# Allegro board SDHCalFEB.brd (continued)
## Routing (per net, layer and track width the routed paths; a pad name or vN(x,y) marks a point on that pad's centre or on a via; arc(x,y) is an arc through that point) (continued)
VCC5.0V: length 182
  TOP w0.254: U1077.14 383.79,285.95 ; v1(386.18,105.82) 386.61,105.82 ; v1(386.18,105.82) 386.18,105.38 ; v1(386.18,105.82) 386.18,106.25 ; v1(386.18,105.82) 385.75,105.82 ; v1(382.55,105.54) 382.55,105.97 ; v1(382.55,105.54) 382.55,105.1 ; v1(382.55,105.54) 382.98,105.54 ; v1(382.55,105.54) 382.12,105.54 ; 383.25,105.84 C1466.2 ; C1466.2 384.25,104.96 ; C1466.2 385.26,105.84 ; 383.9,104.14 v1(384.33,104.14) ; v1(384.33,104.14) 384.33,104.57 ; v1(384.33,104.14) 384.33,103.71 ; v1(384.33,104.14) 384.76,104.14 ; 382.09,288.57 v1(382.52,288.57) ; v1(382.52,288.57) 382.96,288.57 ; v1(382.52,288.57) 382.52,288.14 ; v1(382.52,288.57) 382.52,289 ; 380.61,105.26 U1076.17 U1076.16 ; 385.06,286.71 v1(385.06,287.15) ; v1(385.06,287.15) 384.63,287.15 ; v1(385.06,287.15) 385.06,287.58 ; v1(385.06,287.15) 385.5,287.15 ; 383.34,287.5 v1(383.77,287.5) ; v1(383.77,287.5) 383.77,287.07 ; v1(383.77,287.5) 383.77,287.93 ; v1(383.77,287.5) 384.2,287.5 ; v1(382.42,289.66) 382.85,289.66 ; v1(382.42,289.66) 382.42,289.23 ; v1(382.42,289.66) 382.42,290.09 ; v1(382.42,289.66) 381.99,289.66 ; 381.97,104.5 v1(381.97,104.93) ; v1(381.97,104.93) 381.97,105.36 ; v1(381.97,104.93) 381.53,104.93 ; v1(381.97,104.93) 382.4,104.93 ; v1(384.33,286.23) 384.33,286.66 ; v1(384.33,286.23) 383.9,286.23 ; v1(384.33,286.23) 384.76,286.23 ; U1076.16 381.11,105.26 ; U1076.16 381.42,104.67 ; C1474.2 384.3,290.04 ; C1474.2 385.31,289.16 ; C1474.2 384.3,288.28 ; C1474.2 383.3,289.16 ; 382.65,103.49 v1(382.65,103.92) ; v1(382.65,103.92) 383.08,103.92 ; v1(382.65,103.92) U1076.15 ; v1(382.65,103.92) 382.65,104.35 ; v1(385.83,104.34) 385.83,104.78 ; v1(385.83,104.34) 385.83,103.91 ; v1(385.83,104.34) 385.39,104.34 ; v1(385.83,104.34) 386.26,104.34 ; 383.21,286.75 U1077.15 383.79,286.45 ; 382.45,103.42 U1076.14 U1076.15 ; U1076.15 381.86,104.23 ; v1(381.79,105.99) 382.22,105.99 ; v1(381.79,105.99) 381.79,105.56 ; v1(381.79,105.99) 381.79,106.43 ; v1(381.79,105.99) 381.36,105.99 ; U1077.17 381.96,287.78 ; 382.46,287.78 U1077.16 382.76,287.2
  TOP w0.508: R2512.2 v1(349.07,38.02)
  SIG2 w0.127: v1(377.37,114.07) 377.37,105.49 375.16,103.28 375.16,96.98 349.07,70.89 v1(349.07,38.02)
  BOTTOM w0.254: 378.71,115.43 R2529.1 ; R2529.1 379.3,114.87 ; R2529.1 379.88,115.43 ; 378.79,113.82 v1(378.79,114.25) ; v1(378.79,114.25) 378.36,114.25 ; v1(378.79,114.25) 378.79,114.68 ; v1(378.79,114.25) 379.22,114.25 ; v1(390.96,113.23) 390.96,113.67 ; v1(390.96,113.23) 390.96,112.8 ; v1(390.96,113.23) 390.52,113.23 ; v1(390.96,113.23) 391.39,113.23 ; 397.43,113.99 v1(397.43,114.43) ; v1(397.43,114.43) 397.87,114.43 ; v1(397.43,114.43) 397,114.43 ; v1(397.43,114.43) 397.43,114.86 ; 389.33,113.72 v1(389.33,114.15) ; v1(389.33,114.15) 388.9,114.15 ; v1(389.33,114.15) 389.33,114.58 ; v1(389.33,114.15) 389.76,114.15 ; 376.22,113.26 v1(376.22,113.69) ; v1(376.22,113.69) 376.66,113.69 ; v1(376.22,113.69) 375.79,113.69 ; v1(376.22,113.69) 376.22,114.12 ; v1(377.37,114.07) 377.37,114.5 ; v1(377.37,114.07) 376.94,114.07 ; v1(377.37,114.07) 377.37,113.64 ; v1(377.37,114.07) 377.8,114.07 ; 380.82,114.87 R2532.1 ; R2532.1 380.24,115.43 ; R2532.1 381.41,115.43 ; 382.4,113.49 v1(382.4,113.92) ; v1(382.4,113.92) 381.96,113.92 ; v1(382.4,113.92) 382.4,114.35 ; v1(382.4,113.92) 382.83,113.92 ; v1(380.21,114) 380.21,114.43 ; v1(380.21,114) 379.78,114 ; v1(380.21,114) 380.21,113.56 ; v1(380.21,114) 380.64,114 ; 385.67,113.89 v1(386.11,113.89) ; v1(386.11,113.89) 386.11,114.33 ; v1(386.11,113.89) 386.11,113.46 ; v1(386.11,113.89) 386.54,113.89 ; 387.81,112.65 R2516.1 ; R2516.1 388.39,113.21 ; R2516.1 388.98,112.65 ; R2519.1 378.4,115.42 ; R2519.1 377.23,115.42 ; R2519.1 377.81,114.86 ; v1(383.67,113.89) 383.67,114.33 ; v1(383.67,113.89) 383.23,113.89 ; v1(383.67,113.89) 383.67,113.46 ; 397.61,114.96 v1(397.61,115.39) ; v1(397.61,115.39) 398.04,115.39 ; v1(397.61,115.39) 397.18,115.39 ; 384.78,112.65 R2528.1 ; R2528.1 385.95,112.65 ; R2528.1 385.37,113.21 ; R2537.1 384.43,115.43 ; R2537.1 383.26,115.43 ; R2537.1 383.84,114.87 ; 395.66,112.93 v1(396.09,112.93) ; v1(396.09,112.93) 396.09,113.36 ; v1(396.09,112.93) 396.52,112.93 ; 387.77,115.42 R2514.1 ; R2514.1 388.36,114.86 ; R2514.1 388.94,115.42 ; R2538.1 380.85,113.21 ; R2538.1 381.43,112.65 ; R2538.1 380.26,112.65 ; v1(396.06,114.25) 396.06,114.68 ; v1(396.06,114.25) 396.49,114.25 ; v1(396.06,114.25) 395.63,114.25 ; v1(396.06,114.25) 396.06,113.82 ; R2526.1 386.89,113.21 ; R2526.1 386.31,112.65 ; R2526.1 387.48,112.65 ; v1(396.04,115.42) 396.47,115.42 ; v1(396.04,115.42) 395.6,115.42 ; v1(396.04,115.42) 396.04,114.99 ; R2530.1 379.32,113.21 ; R2530.1 378.74,112.65 ; R2530.1 379.91,112.65 ; 381.3,113.74 v1(381.3,114.17) ; v1(381.3,114.17) 381.3,114.61 ; v1(381.3,114.17) 380.87,114.17 ; v1(381.3,114.17) 381.74,114.17 ; R2517.1 387.44,115.42 ; R2517.1 386.86,114.86 ; R2517.1 386.27,115.42 ; 389.51,115.34 v1(389.94,115.34) ; v1(389.94,115.34) 390.37,115.34 ; v1(389.94,115.34) 389.94,114.91 ; v1(397.56,113.21) 397.56,113.64 ; v1(397.56,113.21) 397.99,113.21 ; v1(397.56,113.21) 397.13,113.21 ; v1(397.56,113.21) 397.56,112.78 ; 377.24,112.65 R2518.1 ; R2518.1 378.41,112.65 ; R2518.1 377.82,113.21 ; 381.79,112.65 R2533.1 ; R2533.1 382.37,113.21 ; R2533.1 382.96,112.65 ; v1(387.78,113.82) 387.78,114.25 ; v1(387.78,113.82) 387.78,113.39 ; v1(387.78,113.82) 388.21,113.82 ; v1(387.78,113.82) 387.35,113.82 ; 385.36,114.86 R2527.1 ; R2527.1 385.94,115.42 ; R2527.1 384.77,115.42 ; v1(386.99,114.35) 387.43,114.35 ; v1(386.99,114.35) 386.56,114.35 ; v1(386.99,114.35) 386.99,114.78 ; v1(386.99,114.35) 386.99,113.92 ; R2535.1 383.87,113.21 ; R2535.1 384.45,112.65 ; R2535.1 383.29,112.65 ; v1(384.35,113.89) 384.35,114.33 ; v1(384.35,113.89) 384.35,113.46 ; v1(384.35,113.89) 384.79,113.89 ; 381.74,115.43 R2534.1 ; R2534.1 382.91,115.43 ; R2534.1 382.32,114.87
VCC5.0V_BOARD_IN: length 26.7
  BOTTOM w0.254: 389.28,93.8 C1460.1 ; C1460.1 389.28,96.19 ; C1460.1 390.6,95 ; C1460.1 387.96,95 ; 384.78,111.12 R2528.2 ; R2528.2 385.95,111.12 ; R2528.2 385.37,110.57 ; 383.29,111.12 R2535.2 ; R2535.2 383.87,110.57 ; R2535.2 384.45,111.12 ; 387.76,97.41 C1459.1 ; C1459.1 388.38,97.99 ; C1459.1 387.76,98.58 ; C1459.1 387.13,97.99 ; R2533.2 382.96,111.12 ; R2533.2 381.79,111.12 ; R2533.2 382.37,110.57 ; 380.26,111.12 R2538.2 ; R2538.2 381.43,111.12 ; R2538.2 380.85,110.57 ; R2518.2 378.41,111.12 ; R2518.2 377.24,111.12 ; R2518.2 377.82,110.57 ; R2516.2 388.98,111.12 ; R2516.2 387.81,111.12 ; R2516.2 388.39,110.57 ; 383.25,95 L1.2 ; L1.2 386.78,95 ; L1.2 385.01,94.06 ; L1.2 385.01,95.94 ; 386.31,111.12 R2526.2 ; R2526.2 386.89,110.57 ; R2526.2 387.48,111.12 ; 379.32,110.57 R2530.2 ; R2530.2 379.91,111.12 ; R2530.2 378.74,111.12
VCC5.0V_CON_IN: length 52.4
  TOP w0.508: v1(389.05,208.64) R1372.2 ; R1372.2 v1(388.29,209.42) ; R1372.2 v1(389.05,210.21) ; v1(389.05,211.18) R1374.2 ; R1374.2 v1(389.05,212.75) ; R1374.2 v1(388.29,211.96) ; R1367.2 v1(389.05,136.3) ; R1367.2 v1(389.05,134.72) ; R1367.2 v1(388.29,135.51) ; v1(388.29,132.97) R1365.2 v1(389.05,132.18) ; R1368.2 387.92,261.87 v1(387.35,261.87) ; R1366.2 v1(389.05,259.69)
  BOTTOM w0.254: R2514.2 388.94,116.94 ; R2514.2 387.77,116.94 ; R2514.2 388.36,117.5 ; 389.05,131.75 v1(389.05,132.18) ; v1(389.05,132.18) 389.48,132.18 ; v1(389.05,132.18) 388.62,132.18 ; v1(389.05,132.18) 389.05,132.61 ; 388.62,210.21 v1(389.05,210.21) ; v1(389.05,210.21) 389.05,210.64 ; v1(389.05,210.21) 389.05,209.78 ; v1(389.05,210.21) 389.48,210.21 ; R1371.1 397.82,208.15 ; R1371.1 396.7,208.15 ; R1371.1 397.26,208.74 ; R1371.1 397.26,207.57 ; 388.29,132.54 v1(388.29,132.97) ; v1(388.29,132.97) 388.72,132.97 ; v1(388.29,132.97) 388.29,133.4 ; v1(388.29,132.97) 387.86,132.97 ; 388.29,135.08 v1(388.29,135.51) ; v1(388.29,135.51) 388.72,135.51 ; v1(388.29,135.51) 387.86,135.51 ; v1(388.29,135.51) 388.29,135.94 ; 389.05,134.29 v1(389.05,134.72) ; v1(389.05,134.72) 388.62,134.72 ; v1(389.05,134.72) 389.48,134.72 ; v1(389.05,134.72) 389.05,135.15 ; 387.86,211.96 v1(388.29,211.96) ; v1(388.29,211.96) 388.72,211.96 ; v1(388.29,211.96) 388.29,211.53 ; v1(388.29,211.96) 388.29,212.4 ; v1(387.35,261.87) 387.35,262.31 ; v1(387.35,261.87) 386.92,261.87 ; v1(387.35,261.87) 387.35,261.44 ; v1(387.35,261.87) 387.78,261.87 ; v1(389.05,212.75) 389.05,213.18 ; v1(389.05,212.75) 388.62,212.75 ; v1(389.05,212.75) 389.05,212.32 ; v1(389.05,212.75) 389.48,212.75 ; v1(389.05,136.3) 389.05,136.73 ; v1(389.05,136.3) 389.05,135.86 ; v1(389.05,136.3) 389.48,136.3 ; v1(389.05,136.3) 388.62,136.3 ; R2537.2 383.84,117.51 ; R2537.2 384.43,116.95 ; R2537.2 383.26,116.95 ; R2532.2 381.41,116.95 ; R2532.2 380.82,117.51 ; R2532.2 380.24,116.95 ; v1(389.05,211.18) 389.05,211.61 ; v1(389.05,211.18) 388.62,211.18 ; v1(389.05,211.18) 389.48,211.18 ; v1(389.05,211.18) 389.05,210.74 ; 384.77,116.95 R2527.2 ; R2527.2 385.94,116.95 ; R2527.2 385.36,117.51 ; R2534.2 382.91,116.95 ; R2534.2 381.74,116.95 ; R2534.2 382.32,117.51 ; R2519.2 378.4,116.95 ; R2519.2 377.23,116.95 ; R2519.2 377.81,117.51 ; v1(389.05,208.64) 389.48,208.64 ; v1(389.05,208.64) 389.05,208.2 ; v1(389.05,208.64) 389.05,209.07 ; v1(389.05,208.64) 388.62,208.64 ; R1373.1 397.79,210.69 ; R1373.1 396.67,210.69 ; R1373.1 397.23,210.11 ; R1373.1 397.23,211.28 ; 388.62,259.69 v1(389.05,259.69) ; v1(389.05,259.69) 389.05,260.12 ; v1(389.05,259.69) 389.48,259.69 ; v1(389.05,259.69) 389.05,259.26 ; R2529.2 379.88,116.95 ; R2529.2 379.3,117.51 ; R2529.2 378.71,116.95 ; R2517.2 387.44,116.95 ; R2517.2 386.27,116.95 ; R2517.2 386.86,117.51 ; 388.29,208.99 v1(388.29,209.42) ; v1(388.29,209.42) 387.86,209.42 ; v1(388.29,209.42) 388.29,209.86 ; v1(388.29,209.42) 388.72,209.42
ANALOGIN1_ASIC_A1: length 1.5
  TOP w0.127: C1.2 R65.1
ANALOGIN1_ASIC_A2: length 1.5
  TOP w0.127: R149.1 247.63,318.18 C88.2
ANALOGIN1_ASIC_A3: length 1.5
  TOP w0.127: C175.2 166.12,318.3 R232.1
ANALOGIN1_ASIC_A4: length 1.5
  TOP w0.127: C262.2 87.65,318.11 R315.1
ANALOGIN1_ASIC_B1: length 1.5
  TOP w0.127: C349.2 326.12,238.38 R398.1
ANALOGIN1_ASIC_B5: length 1.5
  TOP w0.127: C436.2 247.64,238.14 R482.1
ANALOGIN1_ASIC_B6: length 1.5
  TOP w0.127: R565.1 167.65,238.09 C523.2
ANALOGIN1_ASIC_B7: length 1.5
  TOP w0.127: C610.2 86.74,238.08 86.73,238.09 R648.1
ANALOGIN1_ASIC_C1: length 1.5
  TOP w0.127: R731.1 327.65,158.21 C697.2
ANALOGIN1_ASIC_C2: length 1.5
  TOP w0.127: C784.2 246.16,158.22 R815.1
ANALOGIN1_ASIC_C3: length 1.5
  TOP w0.127: C871.2 166.18,158.09 R898.1
ANALOGIN1_ASIC_C4: length 1.5
  TOP w0.127: R981.1 86.17,158.12 C958.2
ANALOGIN1_ASIC_D1: length 1.5
  TOP w0.127: R1064.1 326.17,78.11 C1045.2
ANALOGIN1_ASIC_D2: length 1.5
  TOP w0.127: R1148.1 246.16,78.11 C1132.2
ANALOGIN1_ASIC_D3: length 1.5
  TOP w0.127: C1219.2 167.65,78.12 R1231.1
ANALOGIN1_ASIC_D4: length 1.5
  TOP w0.127: R1314.1 87.05,78.12 87.06,78.13 C1306.2
ANALOGIN2_ASIC_A1: length 44.4
  TOP w0.127: U65.147 294.87,316.53 297.23,318.9 323.37,318.9 329.27,324.8 C2.2
ANALOGIN2_ASIC_A2: length 48.4
  TOP w0.127: C89.2 249.17,333.11 249.17,326.21 241.76,318.8 217.25,318.8 214.86,316.41 U130.147
ANALOGIN2_ASIC_A3: length 48.4
  TOP w0.127: C176.2 169.18,326.38 161.75,318.95 137.13,318.95 134.85,316.66 U195.147
ANALOGIN2_ASIC_A4: length 48.1
  TOP w0.127: U260.147 54.84,316.71 56.92,318.8 81.1,318.8 89.17,326.86 C263.2
ANALOGIN2_ASIC_B1: length 51.5
  TOP w0.127: C350.2 329.18,246.2 321.94,238.96 297.43,238.96 294.87,236.4 U325.147
ANALOGIN2_ASIC_B5: length 47.6
  TOP w0.127: U390.147 214.86,236.42 217.27,238.84 240.54,238.84 249.14,247.44 C437.2
ANALOGIN2_ASIC_B6: length 47.4
  TOP w0.127: U455.147 134.85,235.66 138.13,238.94 160.76,238.94 169.19,247.37 C524.2
ANALOGIN2_ASIC_B7: length 47.6
  TOP w0.127: U520.147 54.84,235.68 57.94,238.79 81.13,238.79 89.18,246.83 C611.2
ANALOGIN2_ASIC_C1: length 47.8
  TOP w0.127: U585.147 294.87,156.06 297.64,158.83 321.06,158.83 326.85,164.62 326.85,170.83 329.14,173.13 C698.2
ANALOGIN2_ASIC_C2: length 48
  TOP w0.127: C785.2 249.17,166.9 241.27,159 217.4,159 214.86,156.46 U650.147
ANALOGIN2_ASIC_C3: length 48
  TOP w0.127: U715.147 134.85,156.49 137.13,158.78 161.04,158.78 169.16,166.9 C872.2
ANALOGIN2_ASIC_C4: length 48
  TOP w0.127: C959.2 89.2,166.75 81.36,158.9 57.45,158.9 54.84,156.29 U780.147
ANALOGIN2_ASIC_D1: length 47.7
  TOP w0.127: U845.147 294.87,76.28 297.46,78.87 320.75,78.87 329.18,87.3 C1046.2
ANALOGIN2_ASIC_D2: length 47.7
  TOP w0.127: C1133.2 249.17,87.02 241.05,78.89 217.68,78.89 214.86,76.07 U910.147
ANALOGIN2_ASIC_D3: length 47.5
  TOP w0.127: U975.147 134.85,76.28 137.49,78.92 160.5,78.92 169.19,87.6 C1220.2
ANALOGIN2_ASIC_D4: length 47.7
  TOP w0.127: C1307.2 89.18,86.94 81.18,78.94 57.81,78.94 54.84,75.97 U1040.147
ANALOGIN3_ASIC_A1: length 34.1
  TOP w0.127: C3.2 319.16,323.33 315.29,319.46 296.67,319.46 294.22,317 U65.148
ANALOGIN3_ASIC_A2: length 34.7
  TOP w0.127: U130.148 214.21,316.72 216.92,319.43 236.6,319.43 239.19,322.02 C90.2
ANALOGIN3_ASIC_A3: length 33.7
  TOP w0.127: C177.2 159.18,323.95 154.74,319.51 136.83,319.51 134.2,316.87 U195.148
ANALOGIN3_ASIC_A4: length 34
  TOP w0.127: C264.2 79.2,323.75 74.93,319.48 56.49,319.48 54.19,317.18 U260.148
ANALOGIN3_ASIC_B1: length 33.5
  TOP w0.127: C351.2 319.18,243.99 314.73,239.55 297.13,239.55 294.22,236.64 U325.148
ANALOGIN3_ASIC_B5: length 34.2
  TOP w0.127: C438.2 239.17,242.72 235.89,239.45 217.04,239.45 214.21,236.61 U390.148
ANALOGIN3_ASIC_B6: length 32.7
  TOP w0.127: C525.2 159.18,244.7 154.1,239.62 137.87,239.62 134.19,235.94 134.19,234.33 134.2,234.32 U455.148
ANALOGIN3_ASIC_B7: length 33
  TOP w0.127: U520.148 54.19,235.97 57.61,239.4 74.37,239.4 79.17,244.2 C612.2
ANALOGIN3_ASIC_C1: length 33.3
  TOP w0.127: U585.148 294.22,156.27 297.33,159.38 314.63,159.38 319.18,163.93 C699.2
ANALOGIN3_ASIC_C2: length 33.4
  TOP w0.127: U650.148 214.21,156.78 217.12,159.69 234.54,159.69 239.17,164.31 C786.2
ANALOGIN3_ASIC_C3: length 33.5
  TOP w0.127: C873.2 159.18,164.24 154.33,159.38 136.65,159.38 134.2,156.93 U715.148
ANALOGIN3_ASIC_C4: length 32.8
  TOP w0.127: U780.148 54.19,156.55 57.18,159.54 73.63,159.54 79.17,165.07 C960.2
ANALOGIN3_ASIC_D1: length 34.3
  TOP w0.127: C1047.2 319.18,82.5 316.2,79.53 297.21,79.53 294.22,76.54 U845.148
ANALOGIN3_ASIC_D2: length 33.5
  TOP w0.127: U910.148 214.21,76.34 217.4,79.53 234.95,79.53 239.17,83.74 C1134.2
ANALOGIN3_ASIC_D3: length 32.9
  TOP w0.127: C1221.2 159.18,84.94 153.77,79.53 137.13,79.53 134.2,76.59 U975.148
ANALOGIN3_ASIC_D4: length 32.9
  TOP w0.127: U1040.148 54.19,76.21 57.58,79.6 74.09,79.6 79.17,84.68 C1308.2
ANALOGIN4_ASIC_A1: length 37.1
  TOP w0.127: U65.149 293.57,317.47 296.16,320.07 313.54,320.07 316.83,323.35 C4.2
ANALOGIN4_ASIC_A2: length 38.4
  TOP w0.127: C91.2 238.76,330.63 237.85,329.72 237.85,323.29 234.65,320.09 216.51,320.09 213.56,317.14 U130.149
ANALOGIN4_ASIC_A3: length 38.1
  TOP w0.127: U195.149 133.55,317.11 136.53,320.09 154.13,320.09 157.86,323.82 157.86,329.77 158.72,330.63 C178.2
ANALOGIN4_ASIC_A4: length 38.5
  TOP w0.127: U260.149 53.54,317.59 56.24,320.29 74.63,320.29 77.5,323.16 77.5,329.41 78.71,330.63 C265.2
ANALOGIN4_ASIC_B1: length 37.1
  TOP w0.127: U325.149 293.57,236.98 296.72,240.13 314.07,240.13 316.73,242.79 C352.2
ANALOGIN4_ASIC_B5: length 36.8
  TOP w0.127: C439.2 236.75,243.18 233.6,240.03 216.74,240.03 213.56,236.85 U390.149
ANALOGIN4_ASIC_B6: length 36.3
  TOP w0.127: U455.149 133.55,236.09 137.67,240.21 153.54,240.21 156.74,243.4 C526.2
ANALOGIN4_ASIC_B7: length 36.6
  TOP w0.127: C613.2 76.73,243.12 73.61,240 57.25,240 53.54,236.29 U520.149
ANALOGIN4_ASIC_C1: length 36.9
  TOP w0.127: C700.2 316.74,162.64 314.07,159.97 297.05,159.97 293.57,156.49 U585.149
ANALOGIN4_ASIC_C2: length 37
  TOP w0.127: U650.149 213.56,157.02 216.87,160.32 234.04,160.32 236.73,163.02 C787.2
ANALOGIN4_ASIC_C3: length 37.1
  TOP w0.127: C874.2 156.74,163.04 153.67,159.97 136.32,159.97 133.55,157.2 U715.149
ANALOGIN4_ASIC_C4: length 36.6
  TOP w0.127: C961.2 76.73,163.55 73.3,160.12 56.85,160.12 53.54,156.81 U780.149
ANALOGIN4_ASIC_D1: length 37.8
  TOP w0.127: U845.149 293.57,76.88 296.75,80.06 315.24,80.06 316.74,81.56 C1048.2
ANALOGIN4_ASIC_D2: length 36.5
  TOP w0.127: U910.149 213.56,76.63 217.09,80.16 233.4,80.16 236.73,83.49 C1135.2
ANALOGIN4_ASIC_D3: length 36.6
  TOP w0.127: C1222.2 156.74,83.59 153.24,80.09 136.73,80.09 133.55,76.91 U975.149
ANALOGIN4_ASIC_D4: length 36.5
  TOP w0.127: U1040.149 53.54,76.5 57.2,80.16 73.43,80.16 76.73,83.46 C1309.2
ANALOGIN5_ASIC_A1: length 26
  TOP w0.127: U65.150 292.92,313.35 292.92,318.01 295.58,320.68 306.48,320.68 309.13,323.33 C5.2
ANALOGIN5_ASIC_A2: length 26.1
  TOP w0.127: U130.150 212.91,317.4 216.18,320.68 227.33,320.68 229.18,322.53 C92.2
ANALOGIN5_ASIC_A3: length 25.2
  TOP w0.127: C179.2 149.2,324.23 145.62,320.65 136.07,320.65 132.9,317.48 U195.150
ANALOGIN5_ASIC_A4: length 24.7
  TOP w0.127: U260.150 52.89,317.91 55.93,320.95 64.72,320.95 69.16,325.4 C266.2
ANALOGIN5_ASIC_B1: length 24.5
  TOP w0.127: C353.2 309.17,245.08 304.83,240.74 296.52,240.74 292.92,237.14 U325.150
ANALOGIN5_ASIC_B5: length 25.1
  TOP w0.127: U390.150 212.91,237.11 216.43,240.64 225.76,240.64 229.18,244.07 C440.2
ANALOGIN5_ASIC_B6: length 24
  TOP w0.127: U455.150 132.9,233.33 132.9,236.38 137.36,240.84 144.88,240.84 149.17,245.14 C527.2
ANALOGIN5_ASIC_B7: length 24.6
  TOP w0.127: C614.2 69.16,244.3 65.51,240.64 56.92,240.64 52.89,236.61 U520.150
ANALOGIN5_ASIC_C1: length 24.6
  TOP w0.127: C701.2 309.17,164.44 305.33,160.6 296.77,160.6 292.92,156.75 U585.150
ANALOGIN5_ASIC_C2: length 24.6
  TOP w0.127: U650.150 212.91,157.21 216.59,160.88 225.15,160.88 229.18,164.92 C788.2
ANALOGIN5_ASIC_C3: length 25.4
  TOP w0.127: U715.150 132.9,157.51 135.92,160.53 145.85,160.53 149.17,163.86 C875.2
ANALOGIN5_ASIC_C4: length 24.8
  TOP w0.127: C962.2 69.16,164.54 65.35,160.73 56.49,160.73 52.89,157.13 U780.150
ANALOGIN5_ASIC_D1: length 25.1
  TOP w0.127: U845.150 292.92,77.07 296.52,80.67 305.89,80.67 309.17,83.95 C1049.2
ANALOGIN5_ASIC_D2: length 25.7
  TOP w0.127: U910.150 212.91,76.92 216.79,80.8 227.2,80.8 229.18,82.78 C1136.2
ANALOGIN5_ASIC_D3: length 24.6
  TOP w0.127: U975.150 132.9,77.07 136.55,80.72 145.14,80.72 149.17,84.76 C1223.2
ANALOGIN5_ASIC_D4: length 25
  TOP w0.127: U1040.150 52.89,76.74 56.95,80.8 66.19,80.8 69.19,83.79 C1310.2
ANALOGIN6_ASIC_A1: length 29.2
  TOP w0.127: U65.151 292.27,318.53 295.02,321.28 304.98,321.28 306.82,323.13 C6.2
ANALOGIN6_ASIC_A2: length 29
  TOP w0.127: C93.2 226.69,322.48 225.55,321.34 215.85,321.34 212.26,317.74 U130.151
ANALOGIN6_ASIC_A3: length 29.5
  TOP w0.127: C180.2 148.72,330.63 147.75,329.67 147.75,324.26 144.75,321.26 135.59,321.26 132.25,317.92 U195.151
ANALOGIN6_ASIC_A4: length 28.4
  TOP w0.127: C267.2 66.73,324.15 64.19,321.61 55.55,321.61 52.24,318.3 U260.151
ANALOGIN6_ASIC_B1: length 28
  TOP w0.127: U325.151 292.27,237.33 296.29,241.35 304.29,241.35 306.7,243.76 C354.2
ANALOGIN6_ASIC_B5: length 28.5
  TOP w0.127: C441.2 226.72,242.98 224.97,241.22 216.1,241.22 212.26,237.38 U390.151
ANALOGIN6_ASIC_B6: length 27.5
  TOP w0.127: C528.2 146.71,244.04 144.07,241.4 136.88,241.4 132.25,236.77 U455.151
ANALOGIN6_ASIC_B7: length 28.3
  TOP w0.127: C615.2 66.73,243.05 64.92,241.25 56.46,241.25 52.24,237.02 U520.151
ANALOGIN6_ASIC_C1: length 28.3
  TOP w0.127: U585.151 292.27,157.01 296.55,161.29 304.9,161.29 306.75,163.14 C702.2
ANALOGIN6_ASIC_C2: length 28.1
  TOP w0.127: U650.151 212.26,157.37 216.36,161.47 224.46,161.47 226.74,163.75 C789.2
ANALOGIN6_ASIC_C3: length 28.9
  TOP w0.127: U715.151 132.25,157.7 135.69,161.14 145.11,161.14 146.73,162.76 C876.2
ANALOGIN6_ASIC_C4: length 28.3
  TOP w0.127: C963.2 66.75,163.55 64.49,161.29 56.16,161.29 52.24,157.37 U780.151
ANALOGIN6_ASIC_D1: length 28.7
  TOP w0.127: C1050.2 306.76,82.6 305.31,81.15 296.21,81.15 292.27,77.21 U845.151
ANALOGIN6_ASIC_D2: length 28.6
  TOP w0.127: U910.151 212.26,77.26 216.38,81.38 225.3,81.38 226.75,82.83 C1137.2
ANALOGIN6_ASIC_D3: length 28.4
  TOP w0.127: C1224.2 146.74,83.16 144.91,81.33 136.25,81.33 132.25,77.33 U975.151
ANALOGIN6_ASIC_D4: length 28.7
  TOP w0.127: U1040.151 52.24,77.03 56.59,81.38 65.66,81.38 66.75,82.47 C1311.2
ANALOGIN7_ASIC_A1: length 16.8
  TOP w0.127: U65.152 291.62,319.13 297.68,325.18 C7.2
ANALOGIN7_ASIC_A2: length 16
  TOP w0.127: U130.152 211.61,318.29 219.2,325.88 C94.2
ANALOGIN7_ASIC_A3: length 16
  TOP w0.127: C181.2 139.19,325.75 131.6,318.16 U195.152
ANALOGIN7_ASIC_A4: length 16
  TOP w0.127: U260.152 51.59,318.57 59.18,326.16 C268.2
ANALOGIN7_ASIC_B1: length 16
  TOP w0.127: U325.152 291.62,237.59 299.19,245.16 C355.2
ANALOGIN7_ASIC_B5: length 16
  TOP w0.127: C442.2 219.18,245.11 211.61,237.54 U390.152
ANALOGIN7_ASIC_B6: length 16
  TOP w0.127: C529.2 139.14,244.6 131.6,237.06 U455.152
ANALOGIN7_ASIC_B7: length 16
  TOP w0.127: U520.152 51.59,237.34 59.16,244.91 C616.2
ANALOGIN7_ASIC_C1: length 16
  TOP w0.127: C703.2 299.16,164.77 291.62,157.23 U585.152
ANALOGIN7_ASIC_C2: length 16
  TOP w0.127: C790.2 219.18,165.07 211.61,157.51 U650.152
ANALOGIN7_ASIC_C3: length 16
  TOP w0.127: C877.2 139.17,165.46 131.6,157.89 U715.152
ANALOGIN7_ASIC_C4: length 16
  TOP w0.127: C964.2 59.18,165.13 51.59,157.53 U780.152
ANALOGIN7_ASIC_D1: length 16
  TOP w0.127: C1051.2 299.19,84.99 291.62,77.42 U845.152
ANALOGIN7_ASIC_D2: length 16
  TOP w0.127: U910.152 211.61,77.6 219.18,85.17 C1138.2
ANALOGIN7_ASIC_D3: length 16
  TOP w0.127: C1225.2 139.17,85.14 131.6,77.57 U975.152
ANALOGIN7_ASIC_D4: length 16
  TOP w0.127: C1312.2 59.18,84.84 51.59,77.24 U1040.152
ANALOGIN8_ASIC_A1: length 19.7
  TOP w0.127: U65.153 290.97,319.72 295.99,324.74 295.99,330.01 C8.2
ANALOGIN8_ASIC_A2: length 19.7
  TOP w0.127: C95.2 216.71,324.51 210.96,318.75 U130.153
ANALOGIN8_ASIC_A3: length 19.7
  TOP w0.127: C182.2 136.73,324.13 130.95,318.35 U195.153
ANALOGIN8_ASIC_A4: length 20.6
  TOP w0.127: U260.153 50.94,319.19 55.19,323.44 C269.2
ANALOGIN8_ASIC_B1: length 19.7
  TOP w0.127: C356.2 296.7,243.71 290.97,237.98 U325.153
ANALOGIN8_ASIC_B5: length 19.7
  TOP w0.127: C443.2 216.69,243.51 210.96,237.78 U390.153
ANALOGIN8_ASIC_B6: length 19.7
  TOP w0.127: C530.2 136.73,243.1 130.95,237.32 U455.153
ANALOGIN8_ASIC_B7: length 19.7
  TOP w0.127: U520.153 50.94,237.7 56.69,243.46 C617.2
ANALOGIN8_ASIC_C1: length 19.7
  TOP w0.127: U585.153 290.97,157.39 296.7,163.12 C704.2
ANALOGIN8_ASIC_C2: length 19.8
  TOP w0.127: C791.2 216.76,163.53 210.96,157.72 U650.153
ANALOGIN8_ASIC_C3: length 19.8
  TOP w0.127: U715.153 130.95,158.1 136.73,163.88 C878.2
ANALOGIN8_ASIC_C4: length 19.7
  TOP w0.127: U780.153 50.94,157.69 56.74,163.5 C965.2
ANALOGIN8_ASIC_D1: length 19.7
  TOP w0.127: C1052.2 296.75,83.52 290.97,77.74 U845.153
ANALOGIN8_ASIC_D2: length 19.8
  TOP w0.127: C1139.2 216.74,83.64 210.96,77.86 U910.153
ANALOGIN8_ASIC_D3: length 19.8
  TOP w0.127: U975.153 130.95,77.84 136.73,83.62 C1226.2
ANALOGIN8_ASIC_D4: length 19.8
  TOP w0.127: C1313.2 56.74,83.39 50.94,77.58 U1040.153
ANALOGIN9_ASIC_A1: length 13.3
  TOP w0.127: C9.2 289.27,325.59 290.32,324.54 U65.154
ANALOGIN9_ASIC_A2: length 13.3
  TOP w0.127: C96.2 209.19,323.19 210.31,322.08 U130.154
ANALOGIN9_ASIC_A3: length 13.3
  TOP w0.127: U195.154 130.3,322.81 129.18,323.93 C183.2
ANALOGIN9_ASIC_A4: length 13.3
  TOP w0.127: C270.2 49.15,322.2 50.29,321.06 U260.154
ANALOGIN9_ASIC_B1: length 13.3
  TOP w0.127: U325.154 290.32,242.65 289.18,243.79 C357.2
ANALOGIN9_ASIC_B5: length 13.3
  TOP w0.127: U390.154 210.31,242.98 209.17,244.12 C444.2
ANALOGIN9_ASIC_B6: length 13.3
  TOP w0.127: C531.2 129.18,242.93 130.3,241.81 U455.154
ANALOGIN9_ASIC_B7: length 13.3
  TOP w0.127: C618.2 49.17,244.37 50.29,243.26 U520.154
ANALOGIN9_ASIC_C1: length 13.3
  TOP w0.127: U585.154 290.32,162.74 289.18,163.88 C705.2
ANALOGIN9_ASIC_C2: length 13.3
  TOP w0.127: U650.154 210.31,163.5 209.17,164.64 C792.2
ANALOGIN9_ASIC_C3: length 13.3
  TOP w0.127: U715.154 130.3,163.66 129.18,164.77 C879.2
ANALOGIN9_ASIC_C4: length 13.3
  TOP w0.127: C966.2 49.17,163.75 50.29,162.64 U780.154
ANALOGIN9_ASIC_D1: length 13.3
  TOP w0.127: U845.154 290.32,83.54 289.18,84.68 C1053.2
ANALOGIN9_ASIC_D2: length 13.3
  TOP w0.127: U910.154 210.31,83.44 209.17,84.58 C1140.2
ANALOGIN9_ASIC_D3: length 13.3
  TOP w0.127: U975.154 130.3,83.72 129.18,84.84 C1227.2
ANALOGIN9_ASIC_D4: length 13.3
  TOP w0.127: C1314.2 49.17,84.34 50.29,83.21 U1040.154
ANALOGIN10_ASIC_A1: length 22.1
  TOP w0.127: U65.155 289.67,322.78 287.67,324.78 C10.2
ANALOGIN10_ASIC_A2: length 22.2
  TOP w0.127: U130.155 209.66,321.41 207.7,323.37 C97.2
ANALOGIN10_ASIC_A3: length 22.2
  TOP w0.127: C184.2 127.69,323.88 129.65,321.92 U195.155
ANALOGIN10_ASIC_A4: length 22.2
  TOP w0.127: U260.155 49.64,320.47 47.65,322.45 C271.2
ANALOGIN10_ASIC_B1: length 21
  TOP w0.127: U325.155 289.67,241.67 287.93,243.41 287.93,251.9 289.16,253.12 C358.2
ANALOGIN10_ASIC_B5: length 22.2
  TOP w0.127: U390.155 209.66,242.67 207.65,244.68 C445.2
ANALOGIN10_ASIC_B6: length 22.2
  TOP w0.127: U455.155 129.65,241.47 127.66,243.46 C532.2